# Altium PCB CATS-Vega.PcbDoc (part 1 of 2) (continued)
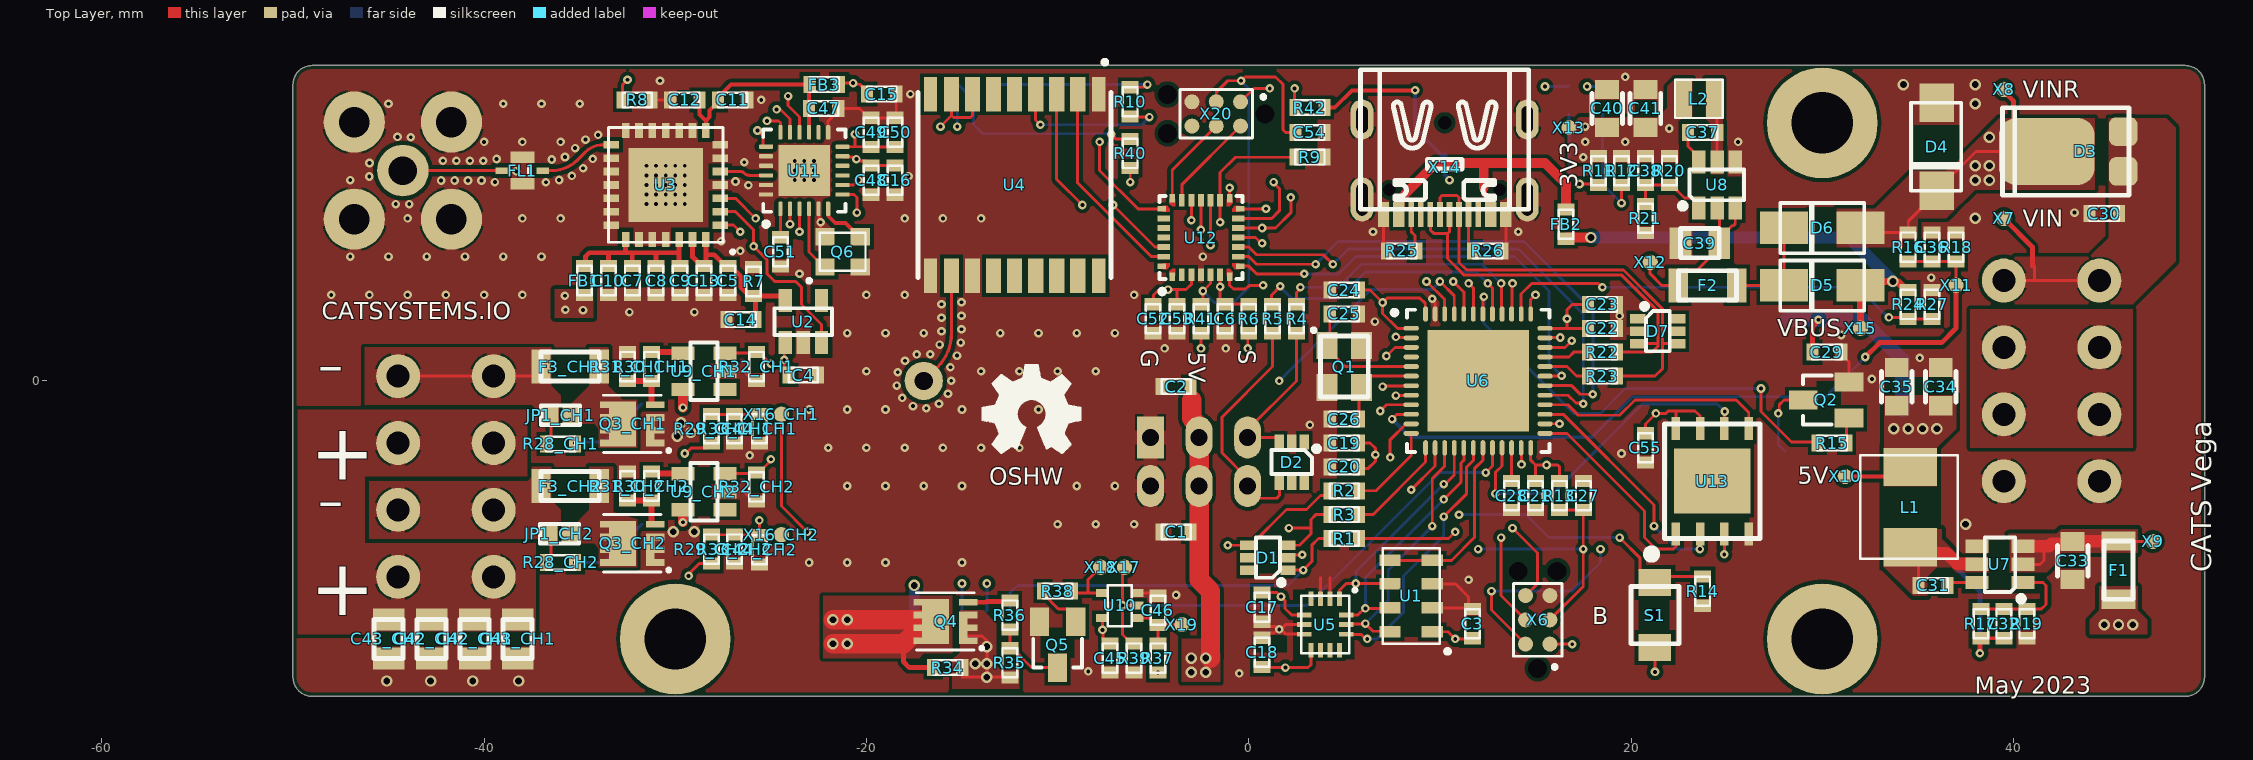
[diagram p0: Top Layer view]
## Components (designator, comment, footprint, x,y, rotation, side; value= is the part's Value field where it differs from the comment) (continued)
R1 "47" "SMD Widerstand 0603" 5,-8.25 r180 top
R2 "47" "SMD Widerstand 0603" 5,-5.75 r180 top
R3 "47" "SMD Widerstand 0603" 5,-7 r180 top
R4 "270" "SMD Widerstand 0603" 2.5,3.25 r270 top
R5 "270" "SMD Widerstand 0603" 1.25,3.25 r270 top
R6 "10k" "SMD Widerstand 0603" 0,3.25 r270 top
R7 "10k" "SMD Widerstand 0603" -25.9,5.2 r270 top
R8 "10k" "SMD NTC 0603" -32,14.7 r0 top
R9 "10k" "SMD Widerstand 0603" 3.2,11.7 r180 top
R10 "1.0k" "SMD Widerstand 0603" -6.2,14.6 r270 top
R11 "1.0k" "SMD Widerstand 0603" 18.3,11 r90 top
R12 "1.0k" "SMD Widerstand 0603" 19.5,11 r90 top
R13 "10k" "SMD Widerstand 0603" 16.25,-6 r90 top
R14 "10k" "SMD Widerstand 0603" 23.75,-11 r90 top
R15 "1.0k" "SMD Widerstand 0603" 30.512,-3.25 r180 top
R16 "75k" "SMD Widerstand 0603" 34.5,7 r90 top
R17 "43k" "SMD Widerstand 0603" 38.3,-12.7 r270 top
R18 "8.2k" "SMD Widerstand 0603" 37,7 r270 top
R19 "8.2k" "SMD Widerstand 0603" 40.7,-12.7 r90 top
R20 "75k" "SMD Widerstand 0603" 22,11 r90 top
R21 "24k" "SMD Widerstand 0603" 20.75,8.5 r90 top
R22 "47" "SMD Widerstand 0603" 18.5,1.5 r180 top
R23 "47" "SMD Widerstand 0603" 18.5,0.25 r180 top
R24 "5.1k" "SMD Widerstand 0603" 34.5,4 r270 top
R25 "5.1k" "SMD Widerstand 0603" 8,6.8 r0 top
R26 "5.1k" "SMD Widerstand 0603" 12.5,6.8 r180 top
R27 "10k" "SMD Widerstand 0603" 35.75,4 r90 top
R28_CH1 "43k" "SMD Widerstand 0603" -36,-3.3 r180 top (schematic designator R28)
R28_CH2 "43k" "SMD Widerstand 0603" -36,-9.5 r180 top (schematic designator R28)
R29_CH1 "75k" "SMD Widerstand 0603" -28.1,-2.5 r270 top (schematic designator R29)
R29_CH2 "75k" "SMD Widerstand 0603" -28.1,-8.8 r270 top (schematic designator R29)
R30_CH1 "270" "SMD Widerstand 0603" -31.25,0.75 r90 top (schematic designator R30)
R30_CH2 "270" "SMD Widerstand 0603" -31.25,-5.5 r90 top (schematic designator R30)
R31_CH1 "10k" "SMD Widerstand 0603" -32.5,0.75 r270 top (schematic designator R31)
R31_CH2 "10k" "SMD Widerstand 0603" -32.5,-5.5 r270 top (schematic designator R31)
R32_CH1 "10k" "SMD Widerstand 0603" -25.75,0.75 r90 top (schematic designator R32)
R32_CH2 "10k" "SMD Widerstand 0603" -25.75,-5.55 r90 top (schematic designator R32)
R33_CH1 "8.2k" "SMD Widerstand 0603" -26.9,-2.5 r90 top (schematic designator R33)
R33_CH2 "8.2k" "SMD Widerstand 0603" -26.9,-8.8 r90 top (schematic designator R33)
R34 "10k" "SMD Widerstand 0603" -15.75,-15 r0 top
R35 "10k" "SMD Widerstand 0603" -12.5,-14.75 r270 top
R36 "1.0k" "SMD Widerstand 0603" -12.5,-12.25 r90 top
R37 "10k" "SMD Widerstand 0603" -4.75,-14.5 r270 top
R38 "1.0k" "SMD Widerstand 0603" -10,-11 r0 top
R39 "1.0k" "SMD Widerstand 0603" -6,-14.5 r90 top
R40 "1.0k" "SMD Widerstand 0603" -6.2,11.9 r270 top
R41 "10k" "SMD Widerstand 0603" -2.5,3.25 r270 top
R42 "10k" "SMD Widerstand 0603" 3.2,14.3 r180 top
S1 "SMD-Button" "SMD BUTTON 2.5X3X1.2" 21.25,-12.25 r0 top
S2 "SMD-Button" "SMD Button 2.5x3x1.2" 10.25,13.5 r180 bottom
U1 "MS5607-02BA03" "SMD IC BARO MS5607" 8.5,-11.25 r180 top
U2 "VRH2851NTX" "SMD IC SOT-23-5" -23.3,3.1 r270 top
U3 "SKY65383-11" "SMD IC 28-MCM" -30.5,10.25 r180 top
U4 "MAX-M10S-00B" "SMD MAX-8" -12.25,10.25 r180 top
U5 "LSM6DSO32" "SMD IC LGA-14" 4,-12.75 r270 top
U6 "STM32F411CEU6" "SMD IC QFN-48" 12,0 r270 top
U7 "AP63300" "SMD IC TSOT-23-6" 39.3,-9.6 r90 top
U8 "AP63300" "SMD IC TSOT-23-6" 24.5,10.25 r0 top
U9_CH1 "TF0216-USQ" "SMD IC SOT-23-5" -28.5,0.5 r0 top (schematic designator U9)
U9_CH2 "TF0216-USQ" "SMD IC SOT-23-5" -28.5,-5.8 r0 top (schematic designator U9)
U10 "TC7S08FU,LF" "SMD IC SSOP5-P-0.65A (SOT353-1)" -6.75,-11.75 r0 top
U11 "SX1280IMLTRT" "SMD IC QFN-24" -23.25,11 r90 top
U12 "STM32G071GBU6" "SMD IC QFN-28 4X4 0.5 PITCH" -2.5,7.5 r0 top
U13 "W25Q128JVPIM" "SMD IC WSON-8 (6X5)" 24.25,-5.25 r90 top
X1 "WAGO 2601-1104" "THT PCB TERMINAL WAGO 2601-1104" 42,0 r90 bottom
X2 "WAGO 2601-1104" "THT PCB TERMINAL WAGO 2601-1104" -42,-5 r270 bottom locked
X3 "JST GH 5-Pin" "SMD Connector JST GH-5" -15,-13.5 r180 bottom
X4 "Servo Connector" "THT Stiftleiste 6-Pol (2x3) 90°" -2.6,-4.23 r0 bottom
X5 "SMA" "THT Buchse SMA Female" -44.25,11 r270 bottom locked
X6 "TC2030-CTX-NL" "SMD CONNECTOR TC2030" 15.115,-15.04 r90 top
X7 "-" "SMD TEST POINT 0.8MM" 39.5,8.5 r0 top
X8 "-" "SMD TEST POINT 0.8MM" 39.5,15.25 r0 top
X9 "-" "SMD TEST POINT 0.8MM" 47.3,-8.4 r0 top
X10 "-" "SMD TEST POINT 0.8MM" 31.2,-5 r90 top
X11 "-" "SMD TEST POINT 0.8MM" 37,5 r90 top
X12 "-" "SMD TEST POINT 0.8MM" 21,6.2 r90 top
X13 "-" "SMD TEST POINT 0.8MM" 16.75,13.25 r90 top
X14 "USB 2.0 Typ-C" "THT USB-C SOCKET (A40-00119)" 10.25,11.25 r0 top
X15 "-" "SMD TEST POINT 0.8MM" 32,2.75 r90 top
X16_CH1 "-" "SMD TEST POINT 0.8MM" -24.45,-1.75 r90 top (schematic designator X16)
X16_CH2 "-" "SMD TEST POINT 0.8MM" -24.45,-8.05 r90 top (schematic designator X16)
X17 "-" "SMD TEST POINT 0.8MM" -6.5,-9.75 r90 top
X18 "-" "SMD TEST POINT 0.8MM" -7.75,-9.75 r90 top
X19 "-" "SMD TEST POINT 0.8MM" -3.5,-12.75 r90 top
X20 "TC2030-CTX-NL" "SMD CONNECTOR TC2030" 0.84,13.965 r180 top

## Footprints (in the part's own frame and the unit in brackets; to place one, negate y for a bottom-side part, rotate by r counter-clockwise, add the part's x,y. Pads: shape width x height; smd on the part's side, far side on the other; paste and mask are expansions set on the pad)
"SMD BUTTON 2.5X3X1.2" [mm] "SMD_LED_RED"
  rect 1.7x1.4 smd: 1(0,-1.7) 2(0,1.7)
  round 0 hole 0.7: 6(0,0)
  silkscreen extent -1.25,-1.5 1.25,1.5, body extent -1.25,-2 1.25,2, height 1.6
"SMD Button 2.5x3x1.2" [mm] "SMD_LED_RED"
  rect 1.7x1.4 smd: 1(0,-1.7) 2(0,1.7)
  round 0 hole 0.7: 6(0,0)
  silkscreen extent -1.25,-1.5 1.25,1.5, body extent -1.25,-2 1.25,2, height 1.6
"SMD BUZZER CMT-8504" [mm]
  rect 2.5x2.5 smd: 1(-3.45,3.4) 2(-3.45,-3.4) NC(3.45,-3.4) NC(3.45,3.4)
  silkscreen extent -4.55,-4.2 4.25,6.2, body extent -4.3,-4.28 4.23,4.25, height 4
"SMD Connector JST GH-5" [mm]
  rect 0.6x1.25 smd: 1(-2.5,1.45) 2(-1.25,1.45) 3(0,1.45) 4(1.25,1.45) 5(2.5,1.45)
  rect 1x2.7 smd: NC(-4.35,-1.45) NC(4.35,-1.45)
  silkscreen extent -4.8,-2.9 4.8,1.6, body extent -4.75,-2.85 4.75,2, height 4.35
"SMD CONNECTOR TC2030" [mm]
  round 0.787 smd paste-1: 1(1.27,-0.635) 2(1.27,0.635) 3(2.54,-0.635) 4(2.54,0.635) 5(3.81,-0.635) 6(3.81,0.635)
  round 0.1 hole 0.991: NC(0,0) NC(5.08,-1.016) NC(5.08,1.016)
  silkscreen extent 0,-1.27 4.44,1.27
"SMD Crystal 3.2X2.5X0.8" [mm] "SMD_LED_RED"
  rect 1.4x1.1 smd: 1(-1.1,-0.9) 2(1.1,0.9) 3(-1.1,0.9) 3(1.1,-0.9)
  silkscreen extent -2,-1.7 1.6,1.25, body extent -1.65,-1.3 1.65,1.3, height 0.8
"SMD Crystal 2520" [mm]
  rect 1x0.9 smd: 1(-0.925,-0.787) 2(0.925,0.788) 3(-0.925,0.788) 3(0.925,-0.787)
  silkscreen extent -1.85,-1.61 1.2,1, body extent -1.25,-1 1.25,1, height 0.7
"SMD Diode DO-214-AC (SMA)" [mm] "SM LED; 2 Flat Leads"
  rect 2x1.8 smd: A(-2.3,0) K(2.3,0)
  silkscreen extent -2.3,-1.36 2.3,1.27, body extent -2.8,-1.48 2.8,1.47, height 2.7
"SMD DIODE SMAF" [mm]
  rect 2.5x1.7 smd: A(2,0) K(-2,0)
  silkscreen extent -2.2,-1.33 2.2,1.3, body extent -2.65,-1.27 2.65,1.27, height 1
"SMD DIODE TO-277" [mm]
  rrect50% 1.5x1.5 smd: A(3,-1.04) A(3,1.04)
  rrect50% 5x3.5 smd: K(-1,0)
  silkscreen extent -3.31,-2.29 3.29,2.29, body extent -3.32,-2.38 3.33,2.37, height 1.2
"SMD Ferrite Bead 0603" [mil]
  rect 25x35 smd: 1(-30,0) 2(30,0)
  silkscreen extent -30,-15 30,15, body extent -31,-16 31,16, height 33
"SMD FILTER DEA202450BT" [mm]
  rect 0.65x0.35 smd: 1(-1.075,0) 3(1.075,0)
  rect 1.25x0.6 smd: 2(0,0.7) 4(0,-0.7)
  silkscreen extent -0.5,-0.2 -0.25,0.2, body extent -1,-0.63 1,0.63, height 0.9
"SMD IC 28-MCM" [mm]
  rect 3.875x3.875 smd: 0(0,0)
  rect 0.8x0.4 smd: 1(-2.85,2.1) 2(-2.85,1.4) 3(-2.85,0.7) 4(-2.85,0) 5(-2.85,-0.7) 6(-2.85,-1.4) 7(-2.85,-2.1) 15(2.85,-2.1) 16(2.85,-1.4) 17(2.85,-0.7) 18(2.85,0) 19(2.85,0.7) 20(2.85,1.4) 21(2.85,2.1)
  rect 0.4x0.8 smd: 8(-2.1,-2.85) 9(-1.4,-2.85) 10(-0.7,-2.85) 11(0,-2.85) 12(0.7,-2.85) 13(1.4,-2.85) 14(2.1,-2.85) 22(2.1,2.85) 23(1.4,2.85) 24(0.7,2.85) 25(0,2.85) 26(-0.7,2.85) 27(-1.4,2.85) 28(-2.1,2.85)
  silkscreen extent -3.58,-3 3,3.58, body extent -3,-3 3,3, height 0.85
"SMD IC BARO MS5607" [mm]
  rect 1.1x0.6 smd: 1(-1.1,1.875) 2(-1.1,0.625) 3(-1.1,-0.625) 4(-1.1,-1.875) 5(1.1,-1.875) 6(1.1,-0.625) 7(1.1,0.625) 8(1.1,1.875)
  silkscreen extent -2,-2.5 1.5,3, body extent -1.5,-2.5 1.5,2.5, height 0.95
"SMD IC LGA-14" [mm]
  rect 0.75x0.25 smd: 1(-1.35,0.75) 2(-1.35,0.25) 3(-1.35,-0.25) 4(-1.35,-0.75) 8(1.35,-0.75) 9(1.35,-0.25) 10(1.35,0.25) 11(1.35,0.75)
  rect 0.25x0.75 smd: 5(-0.5,-1.1) 6(0,-1.1) 7(0.5,-1.1) 12(0.5,1.1) 13(0,1.1) 14(-0.5,1.1)
  silkscreen extent -1.86,-1.25 1.5,1.61, body extent -1.5,-1.25 1.5,1.25, height 0.84
"SMD IC QFN-24" [mm] "QFN, 24-Leads, Body 4x4mm, Pitch 0.5mm, Thermal Pad 2.68x2.68mm, IPC Medium Density"
  rect 2.68x2.68 smd: 0(0,0)
  rrect50% 0.75x0.22 smd: 1(-2,1.25) 2(-2,0.75) 3(-2,0.25) 4(-2,-0.25) 5(-2,-0.75) 6(-2,-1.25) 13(2,-1.25) 14(2,-0.75) 15(2,-0.25) 16(2,0.25) 17(2,0.75) 18(2,1.25)
  rrect50% 0.22x0.75 smd: 7(-1.25,-2) 8(-0.75,-2) 9(-0.25,-2) 10(0.25,-2) 11(0.75,-2) 12(1.25,-2) 19(1.25,2) 20(0.75,2) 21(0.25,2) 22(-0.25,2) 23(-0.75,2) 24(-1.25,2)
  silkscreen extent -2.92,-2.15 2.15,2.15, body extent -2,-2 2,2, height 0.9
"SMD IC QFN-28 4X4 0.5 PITCH" [mm] "QFN, 28-Leads"
  rect 0.3x0.45 smd: 1(-1.5,-2.05) 7(1.5,-2.05) 15(1.5,2.05) 21(-1.5,2.05)
  rect 0.3x0.65 smd: 2(-1,-1.95) 3(-0.5,-1.95) 4(0,-1.95) 5(0.5,-1.95) 6(1,-1.95) 16(1,1.95) 17(0.5,1.95) 18(0,1.95) 19(-0.5,1.95) 20(-1,1.95)
  rect 0.45x0.3 smd: 8(2.05,-1.5) 14(2.05,1.5) 22(-2.05,1.5) 28(-2.05,-1.5)
  rect 0.65x0.3 smd: 9(1.95,-1) 10(1.95,-0.5) 11(1.95,0) 12(1.95,0.5) 13(1.95,1) 23(-1.95,1) 24(-1.95,0.5) 25(-1.95,0) 26(-1.95,-0.5) 27(-1.95,-1)
  Top Layer region: 1.35,2 1.35,1.625 1.5,1.625 1.65,1.775 1.65,2
  Top Layer region: 2,1.35 1.625,1.35 1.625,1.5 1.775,1.65 2,1.65
  Top Layer region: -1.35,2 -1.35,1.625 -1.5,1.625 -1.65,1.775 -1.65,2
  Top Layer region: -2,1.35 -1.625,1.35 -1.625,1.5 -1.775,1.65 -2,1.65
  Top Layer region: -1.35,-2 -1.35,-1.625 -1.5,-1.625 -1.65,-1.775 -1.65,-2
  Top Layer region: -2,-1.35 -1.625,-1.35 -1.625,-1.5 -1.775,-1.65 -2,-1.65
  Top Layer region: 2,-1.35 1.625,-1.35 1.625,-1.5 1.775,-1.65 2,-1.65
  Top Layer region: 1.35,-2 1.35,-1.625 1.5,-1.625 1.65,-1.775 1.65,-2
  silkscreen extent -2.17,-2.95 2.17,2.17, body extent -2,-2 2,2, height 0.8
"SMD IC QFN-48" [mm] "QFN, 48-Leads, Body 7x7mm, Pitch 0.5mm, IPC Medium Density"
  oval 0.25x0.8 smd: 1(-2.75,-3.5) 2(-2.25,-3.5) 3(-1.75,-3.5) 4(-1.25,-3.5) 5(-0.75,-3.5) 6(-0.25,-3.5) 7(0.25,-3.5) 8(0.75,-3.5) 9(1.25,-3.5) 10(1.75,-3.5) 11(2.25,-3.5) 12(2.75,-3.5) 25(2.75,3.5) 26(2.25,3.5) 27(1.75,3.5) 28(1.25,3.5) 29(0.75,3.5) 30(0.25,3.5) 31(-0.25,3.5) 32(-0.75,3.5) 33(-1.25,3.5) 34(-1.75,3.5) 35(-2.25,3.5) 36(-2.75,3.5)
  oval 0.8x0.25 smd: 13(3.5,-2.75) 14(3.5,-2.25) 15(3.5,-1.75) 16(3.5,-1.25) 17(3.5,-0.75) 18(3.5,-0.25) 19(3.5,0.25) 20(3.5,0.75) 21(3.5,1.25) 22(3.5,1.75) 23(3.5,2.25) 24(3.5,2.75) 37(-3.5,2.75) 38(-3.5,2.25) 39(-3.5,1.75) 40(-3.5,1.25) 41(-3.5,0.75) 42(-3.5,0.25) 43(-3.5,-0.25) 44(-3.5,-0.75) 45(-3.5,-1.25) 46(-3.5,-1.75) 47(-3.5,-2.25) 48(-3.5,-2.75)
  rect 5.3x5.3 smd: PAD(0,0)
  silkscreen extent -3.72,-4.5 3.72,3.72, body extent -3.51,-3.51 3.51,3.51, height 0.78
"SMD IC SOT-23-5" [mm]
  rect 1.2x0.7 smd: 1(1.1,-0.95) 2(1.1,0) 3(1.1,0.95) 4(-1.1,0.95) 5(-1.1,-0.95)
  silkscreen extent -0.7,-1.5 0.7,1.5, body extent -1.3,-1.5 1.2,1.5, height 1.1
"SMD IC SOT-363 (SC-70-6)" [mm]
  rect 0.8x0.5 smd: 1(1.05,-0.65) 2(1.05,0) 3(1.05,0.65) 4(-1.05,0.65) 5(-1.05,0) 6(-1.05,-0.65)
  silkscreen extent -0.63,-1.4 0.8,1.05, body extent -1.05,-1 1.05,1, height 0.92
"SMD IC SSOP5-P-0.65A (SOT353-1)" [mm]
  rect 0.6x0.42 smd: 1(0.95,-0.65) 2(0.95,0) 3(0.95,0.65) 4(-0.95,0.65) 5(-0.95,-0.65)
  silkscreen extent -0.64,-1.09 0.64,1.07, body extent -1.05,-1.08 1.05,1.07, height 0.93
"SMD IC TSOT-23-6" [mm] "SOT-223/SC-73; 4 Leads; Body 6.7 x 7.3 mm, inc. leads (LxW max)"
  rect 0.7x1.2 smd: 1(-0.95,-1.2) 2(0,-1.2) 3(0.95,-1.2) 4(0.95,1.2) 5(0,1.2) 6(-0.95,1.2)
  silkscreen extent -1.9,-1.2 1.4,0.8, body extent -1.5,-1.4 1.5,1.4, height 0.86
"SMD IC WSON-8 (6X5)" [mm]
  rect 1.2x0.45 smd: 1(-2.75,1.905) 2(-2.75,0.635) 3(-2.75,-0.635) 4(-2.75,-1.905) 5(2.75,-1.905) 6(2.75,-0.635) 7(2.75,0.635) 8(2.75,1.905)
  rect 3.4x4 smd: PAD(0,0)
  silkscreen extent -4.01,-2.5 3,3.37, body extent -3,-2.5 3,2.5, height 0.75
"SMD Inductor 2x2.5x1.2" [mm]
  rect 0.85x2 smd: 1(-0.8,0) 2(0.8,0)
  silkscreen extent -1.25,-1 1.25,1, body extent -1.25,-1 1.25,1, height 1.2
"SMD Inductor 5.5x5.2x3" [mm]
  rect 2x2.79 smd: 1(-2.1,0) 2(2.1,0)
  silkscreen extent -2.7,-2.5 2.7,2.6, body extent -2.73,-2.55 2.73,2.6, height 2.89
"SMD Keramikkondensator 0603" [mil]
  rect 25x35 smd: 1(-30,0) 2(30,0)
  silkscreen extent -30,-15 30,15, body extent -31,-16 32,16, height 32
"SMD Keramikkondensator 0805"#1 [mm]
  rect 1x1.25 smd: 1(-1,0) 2(1,0)
  silkscreen extent -0.8,-0.8 0.8,0.8, body extent -1,-0.62 1,0.63, height 0.78
"SMD Keramikkondensator 0805"#2 [mm]
  rect 1.143x1.651 smd: 1(-1.016,0) 2(1.016,0)
  silkscreen extent -1.02,-0.76 1.02,0.76, body extent -1,-0.62 1,0.63, height 0.78
"SMD LED 0603" [mm] "SMD_LED_RED"
  rect 0.8x0.8 smd: A(0.8,0) K(-0.7,0)
  silkscreen extent -0.75,-0.4 0.85,0.4, body extent -0.79,-0.36 0.86,0.37, height 0.68
"SMD MAX-8" [mm]
  rect 0.7x1.8 smd: 1(-4.4,-4.75) 9(4.4,-4.75) 10(4.4,4.75) 18(-4.4,4.75)
  rect 0.8x1.8 smd: 2(-3.3,-4.75) 3(-2.2,-4.75) 4(-1.1,-4.75) 5(0,-4.75) 6(1.1,-4.75) 7(2.2,-4.75) 8(3.3,-4.75) 11(3.3,4.75) 12(2.2,4.75) 13(1.1,4.75) 14(0,4.75) 15(-1.1,4.75) 16(-2.2,4.75) 17(-3.3,4.75)
  silkscreen extent -5.05,-6.52 5.05,4.85, body extent -5.05,-4.85 5.05,4.85, height 2.5
"SMD MOSFET DFN 3X3 EP" [mm]
  rect 0.35x1.1 smd: D(-1.005,1.125) D(-0.335,1.125) D(0.335,1.125) D(1.005,1.125)
  rect 2.36x1.4 smd: D(0,0.508)
  rect 0.35x0.95 smd: G(1.005,-1.2) S(-1.005,-1.2) S(-0.335,-1.2) S(0.335,-1.2)
  rect 1.68x0.45 smd: S(-0.341,-0.947)
  silkscreen extent -1.5,-1.96 1.5,1.5, body extent -1.5,-1.5 1.5,1.5, height 0.5
"SMD NTC 0603" [mil]
  rect 25x35 smd: 1(-30,0) 2(30,0)
  silkscreen extent -30,-15 30,15, body extent -31,-16 31,16, height 33
"SMD PPTC-Fuse 1206" [mil]
  rect 40x70 smd: 1(-60,0) 2(60,0)
  silkscreen extent -60,-30 60,30, body extent -63,-33 63,33, height 22
"SMD SOLDER JUMPER 1X2MM" [mm] "SOT-223/SC-73; 4 Leads; Body 6.7 x 7.3 mm, inc. leads (LxW max)"
  rect 0.9x0.9 smd paste-2539.97: 1(-0.559,0) 2(0.559,0)
  silkscreen extent -1.02,-0.51 1.02,0.51
"SMD TEST POINT 0.8MM" [mm]
  round 0.8 smd paste-10: 1(0,0)
"SMD Transistor SOT-23" [mm]
  rect 1.5x1 smd: B(1.149,-0.95) C(-1.251,0) E(1.149,0.95)
  silkscreen extent -1.25,-1.28 0.25,1.27, body extent -1.25,-1.5 1.25,1.5, height 1.1
"SMD TRANSISTOR SOT-23" [mm]
  rect 1.5x1 smd: B(1.149,-0.95) C(-1.251,0) E(1.149,0.95)
  silkscreen extent -1.25,-1.28 0.25,1.27, body extent -1.25,-1.5 1.25,1.5, height 1.1
"SMD Widerstand 0603" [mil]
  rect 25x35 smd: 1(-30,0) 2(30,0)
  silkscreen extent -30,-15 30,15, body extent -31,-16 31,16, height 18
"THT ANTENNA GNSS 18X18" [mm]
  round 2 hole 0.95: 1(0,1.1)
  silkscreen extent -9,-6.1 9,11.9, body extent -9,-8.2 9,11.8, height 2.6
"THT Buchse SMA Female" [mm]
  round 2.7 hole 1.5: 1(0,0)
  round 3.2 hole 1.6: 2(-2.54,-2.54) 2(-2.54,2.54) 2(2.54,-2.54) 2(2.54,2.54)
  silkscreen extent -5,-4 5,16.5, body extent -5.1,-4 5.1,16.5, height 11.5
"THT PCB TERMINAL WAGO 2601-1104" [mm]
  round 2.3 hole 1.2: 1(-5.25,-2.5) 1(-5.25,2.5) 2(-1.75,-2.5) 2(-1.75,2.5) 3(1.75,-2.5) 3(1.75,2.5) 4(5.25,-2.5) 4(5.25,2.5)
  silkscreen extent -7.72,-6.62 7.78,8, body extent -7.82,-6.62 7.68,9.96, height 12.75
"THT Stiftleiste 6-Pol (2x3) 90°" [mm]
  rect 1.4x2.2 hole 0.9: 1(-2.54,-1.27)
  oval 1.4x2.2 hole 0.9: 2(-2.54,1.27) 3(0,-1.27) 4(0,1.27) 5(2.54,-1.27) 6(2.54,1.27)
  silkscreen extent -3.81,-2.54 3.81,12.19, body extent -3.81,-1.58 3.81,12.15, height 5.63
"THT USB-C SOCKET (A40-00119)" [mm]
  rect 0.6x1.3 smd: A1B12(3.2,-2.55) A4B9(2.4,-2.55) B1A12(-3.2,-2.55) B4A9(-2.4,-2.55)
  rect 0.3x1.3 smd: A5(1.25,-2.55) A6(0.25,-2.55) A7(-0.25,-2.55) A8(-1.25,-2.55) B5(-1.75,-2.55) B6(-0.75,-2.55) B7(0.75,-2.55) B8(1.75,-2.55)
  oval 1.2x2.1 hole 0.6 slot 1.4 at 90 deg: G1(4.32,2.425) G3(-4.32,2.425)
  oval 1.2x2.3 hole 0.6 slot 1.7 at 90 deg: G2(4.32,-1.755) G4(-4.32,-1.755)
  round 0 hole 0.65 unplated: NC(-2.89,-1.255) NC(2.89,-1.255)
  silkscreen extent -4.4,-2.27 4.4,5.03, body extent -4.47,-2.79 4.48,4.96, height 3.26

## Part data
ANT1: "1.575GHz GPS Ceramic Patch RF Antenna 1.573GHz ~ 1.577GHz 3.3dBic Pin Adhesive", ComponentLink1Description=Datasheet, ComponentLink1URL=https://abracon.com/patchantenna/APAE1575R1820ABDC1-T.pdf, Digikey=535-11944-ND, Mouser=815-1575R1820ABDC1T, Unit Price=1.63
C1 C2 C30 C49 C51: library part "E6 - 10nF", "SMD Ceramic Capacitor E6", JLC=C1589, Unit Price=0.0015
C3 C4 C5 C6 C11 C13 C14 C16 C17 C18 C20 C22 C23 C24 C27 C31 C37 C45 C47 C48 C53 C54 C55: library part "E6 - 100nF", "SMD Ceramic Capacitor E6", JLC=C1591, Unit Price=0.0024
C7 C8 C15 C21 C28 C29 C46 C52: library part "E6 - 4.7uF", "SMD Ceramic Capacitor E6", JLC=C19666, Unit Price=0.0082
C9 C10 C12 C25 C26: library part "E6 - 10pF", "SMD Ceramic Capacitor E6", JLC=C1634, Unit Price=0.0055
C19 C36 C44_CH1 C44_CH2 C50: library part "E6 - 1uF", "SMD Ceramic Capacitor E6", JLC=C15849, Unit Price=0.0047
C32 C38: library part "E6 - 47pF", "SMD Ceramic Capacitor E6", JLC=C1671, Unit Price=0.0056
C33 C34 C35 C39 C40 C41 C42_CH1 C42_CH2 C43_CH1 C43_CH2: library part "E6 - 22uF", "SMD Ceramic Capacitor E6", JLC=C338080, Unit Price=0.3453
D1 D2 D7: library part PD4E1U06DCKR, "Unidirectional 3A (8/20us) 15V (Typ) 6.5V 5.5V (Max) SOT-363 ESD Protection Devices ROHS", JLC=C194628, ComponentLink1Description=Datasheet, ComponentLink1URL=https://datasheet.lcsc.com/lcsc/1810172210_Texas-Instruments-TPD4E1U06DCKR_C194628.pdf, Digikey=296-39347-1-ND, Farnell=3116516, Mouser=595-TPD4E1U06DCKR, Unit Price=0.0382
D3: "45V 470mV@10A 10A TO-277 Schottky Barrier Diodes", JLC=C113945, ComponentLink1Description=Datasheet, ComponentLink1URL=https://datasheet.lcsc.com/lcsc/1810252210_MDD-Microdiode-Electronics--SL1045_C65021.pdf, Unit Price=0.1199
D4: "TVS Diode, 31.10~34.40V Breakdown, 8.8A Pulse", JLC=C90508, ComponentLink1Description=Datasheet, ComponentLink1URL=https://datasheet.lcsc.com/lcsc/1809291411_Brightking-SMAJ28CA-TR13_C90508.pdf, Unit Price=0.0337
D5 D6: "3A SMAF Schottky Barrier Diode", JLC=C60396, ComponentLink1Description=Datasheet, ComponentLink1URL=https://datasheet.lcsc.com/lcsc/1809211527_MDD-Microdiode-Electronics--SL34F_C113938.pdf, Unit Price=0.0363
F1 F2 F3_CH1 F3_CH2: library part ASMD1206-075-30V, "Polymeric PTC Resettable Fuse 30V 0.75A Surface Mount 1206", JLC=C2982268, ComponentLink1Description=Datasheet, ComponentLink1URL=https://datasheet.lcsc.com/lcsc/2204011730_Shenzhen-JDT-Fuse-ASMD1206-075-30V_C2982268.pdf, Unit Price=0.0525
FB1 FB2 FB3: "1 kOhms @ 100MHz 1 Power Line Ferrite Bead 0603 (1608 Metric) 1A 200mOhm", JLC=C42102, ComponentLink1Description=Datasheet, ComponentLink1URL=https://www.murata.com/en-us/products/productdata/8796738650142/ENFA0003.pdf, Digikey=490-17349-1-ND, Unit Price=0.0058
FL1: "Multilayer Band Pass Filter 2400-2500MHz", JLC=C307898, ComponentLink1Description=Datasheet, ComponentLink1URL=https://datasheet.lcsc.com/lcsc/1811021613_TDK-DEA202450BT-1213C1_C307898.pdf, Digikey=445-3969-2-ND, Mouser=810-DEA22450BT1213C1, Unit Price=0.1188
JP1_CH1 JP1_CH2: library part Jumper-1, "Single Position Jumper"
L1: library part "Inductor 4.7µH / 4.5A", "4.7 µH Shielded Molded Inductor 4.5 A 60mOhm Max Nonstandard", JLC=C408410, ComponentLink1Description=Datasheet, ComponentLink1URL=https://www.vishay.com/docs/34260/ihlp2020cz11.pdf, Digikey=541-1238-2-ND, Unit Price=0.0978
L2: library part "Inductor 3.3µH / 1.15A", "1.15A 3.3uH ±20% 144mΩ SMD Power Inductors", JLC=C98379, ComponentLink1Description=Datasheet, ComponentLink1URL=https://datasheet.lcsc.com/lcsc/2110081330_Sunlord-SPH252012H3R3MT_C98379.pdf, Digikey=732-5680-2-ND, Unit Price=0.0513
LS1: "Buzzers Indicator, Internally Driven Piezo 12V 10mA 3kHz 100dB @ 12V, 10cm Through Hole PC Pins", JLC=C255315, ComponentLink1Description=Datasheet, ComponentLink1URL=https://datasheet.lcsc.com/lcsc/2001061407_INGHAi-GSC8530RA-16R2700_C255315.pdf, Digikey=2603-CT08E-06S300-2TR-ND, Unit Price=0.4057
P1 P2 P4_CH1 P4_CH2: "Color LED", JLC=C84263, Unit Price=0.01
P3 P5: "Color LED", JLC=C434421, Unit Price=0.01
Q1: library part Crystal, "SMD Crystal Resonators 8MHz ±10ppm SMD,3.2x2.5mm", JLC=C2682775, ComponentLink1Description=Datasheet, ComponentLink1URL=https://datasheet.lcsc.com/lcsc/2106070434_Yangxing-Tech-X32258MOB4SI_C2682775.pdf, Digikey=535-15255-1-ND, Mouser=815-M8AIG-8-1ZT, Unit Price=0.1431
Q2 Q5: "40 V, 200 mA NPN switching transisto", JLC=C8667, ComponentLink1Description=Datasheet, ComponentLink1URL=https://datasheet.lcsc.com/lcsc/2105201004_Nexperia-PMBT3904-215_C8667.pdf, Unit Price=0.019
Q3_CH1 Q3_CH2: "N-Channel 30V 30A Surface Mount 8-DFN (3x3)", JLC=C315567, ComponentLink1Description=Datasheet, ComponentLink1URL=https://datasheet.lcsc.com/lcsc/1912111437_Alpha---Omega-Semicon-AON7544_C315567.pdf, Digikey=785-1634-2-ND, Unit Price=0.1553
Q4: "30V 16A 35W", JLC=C471913, ComponentLink1Description=Datasheet, ComponentLink1URL=https://datasheet.lcsc.com/lcsc/1809251724_GOFORD-G16P03_C193982.pdf, Unit Price=0.1535
Q6: library part "Crystal 52MHz - 2520", "52Mhz Ceramic 2.5 x 2.0mm SMD 10pF 60Ω ±10ppm", JLC=C963550, ComponentLink1Description=Datasheet, ComponentLink1URL=https://datasheet.lcsc.com/lcsc/2012211835_WTL-WTL2M75523TW_C963550.pdf, Digikey=50-ECS-520-8-36B-CTN-TR-ND, Mouser=520-520-8-36B-CTN-TR, Unit Price=0.2466
R1 R2 R3 R22 R23: library part "E24 - 47", "SMD Chip Resistor E24", JLC=C1211, Unit Price=0.001
R4 R5 R30_CH1 R30_CH2: library part "E24 - 270", "SMD Chip Resistor E24", JLC=C22966, Unit Price=0.001
R6 R7 R9 R13 R14 R27 R31_CH1 R31_CH2 R32_CH1 R32_CH2 R34 R35 R37 R41 R42: library part "E24 - 10k", "SMD Chip Resistor E24", JLC=C99198, Unit Price=0.001
R8: library part SDNT1608X103F3450FTF, "NTC 10kΩ -55℃~+125℃ 0.31mA 100mW ±1% 3450K", JLC=C95953, ComponentLink1Description=Datasheet, ComponentLink1URL=https://datasheet.lcsc.com/lcsc/2110081230_Sunlord-SDNT1608X103F3450FTF_C95953.pdf, Unit Price=0.0192
R10 R11 R12 R15 R36 R38 R39 R40: library part "E24 - 1.0k", "SMD Chip Resistor E24", JLC=C2907113, Unit Price=0.001
R16 R20 R29_CH1 R29_CH2: library part "E24 - 75k", "SMD Chip Resistor E24", JLC=C23242, Unit Price=0.001
R17 R28_CH1 R28_CH2: library part "E24 - 43k", "SMD Chip Resistor E24", JLC=C23172, Unit Price=0.001
R18 R19 R33_CH1 R33_CH2: library part "E24 - 8.2k", "SMD Chip Resistor E24", JLC=C168409, Unit Price=0.001
R21: library part "E24 - 24k", "SMD Chip Resistor E24", JLC=C2907131, Unit Price=0.001
R24 R25 R26: library part "E24 - 5.1k", "SMD Chip Resistor E24", JLC=C2907114, Unit Price=0.001
S1 S2: library part "Button 3mmx2.5mm", "Button SPST", JLC=C128937, ComponentLink1Description=Datasheet, ComponentLink1URL=https://datasheet.lcsc.com/lcsc/2108131530_Korean-Hroparts-Elec-K2-1822SA-A3DW-06_C128937.pdf, Digikey=SW1020TR-ND, Mouser=653-B3U-1000P, Unit Price=0.1654
U1: "Barometric Pressure Sensor, with stainless / steel cap", ComponentLink1Description=Datasheet, ComponentLink1URL=https://www.te.com/commerce/DocumentDelivery/DDEController?Action=srchrtrv&DocNm=MS5607-02BA03&DocType=Data+Sheet&DocLang=English, Digikey=223-1198-1-ND, Mouser=824-MS560702BA03-50, Unit Price=3.47
U2: "Linear Voltage Regulator IC Positive Fixed 1 Output  250mA SOT-23-5 2.85V", JLC=C697994, ComponentLink1Description=Datasheet, ComponentLink1URL=https://datasheet.lcsc.com/lcsc/2007221906_AnaSem-VRH2851NTX_C697994.pdf, Unit Price=0.0585
U3: "2400 to 2483 MHz Transmit/Receive / Front-End Module +30dBm", ComponentLink1Description=Datasheet, ComponentLink1URL=https://www.skyworksinc.com/-/media/SkyWorks/Documents/Products/2901-3000/SKY65383-11_202668G.pdf, Digikey=863-1798-1-ND, Mouser=873-SKY65383-11, Unit Price=4.16720
U4: "u-blox 8 GNSS modules", ComponentLink1Description=Datasheet, ComponentLink1URL=https://content.u-blox.com/sites/default/files/MAX-M10S_DataSheet_UBX-20035208.pdf, Digikey=672-MAX-M10S-00BTR-ND, Mouser=377-MAX-M10S-00B, Unit Price=14.16
U5: "iNEMO inertial module / ±4/±8/±16/±32 g  / ±125/±250/±500/±1000/±2000 dps", JLC=C1864162, ComponentLink1Description=Datasheet, ComponentLink1URL=https://www.st.com/resource/en/datasheet/lsm6dso32.pdf, Digikey=497-LSM6DSO32CT-ND, Farnell=3527117, Mouser=511-LSM6DSO32TR, Unit Price=4.59
U6: "ARM® Cortex®-M4 series Microcontroller IC 32-Bit 100MHz 512KB (512K x 8) FLASH 48-UFQFPN (7x7)", JLC=C60420, ComponentLink1Description=Datasheet, ComponentLink1URL=https://datasheet.lcsc.com/lcsc/1809291612_STMicroelectronics-STM32F411CEU6_C60420.pdf, Digikey=497-14907-ND, Unit Price=5.0305
U7 U8: "3.8V TO 32V INPUT, 3A LOW IQ SYNCHRONOUS BUCK WITH ENHANCED EMI REDUCTION", JLC=C2158012, ComponentLink1Description=Datasheet, ComponentLink1URL=https://www.diodes.com/assets/Datasheets/AP63300-AP63301.pdf, Digikey=31-AP63300WU-7TR-ND, Mouser=621-AP63300WU-7, Unit Price=0.6396
U9_CH1 U9_CH2: "SOT-23-5L Gate Drive IC", JLC=C2683769, ComponentLink1Description=Datasheet, ComponentLink1URL=https://datasheet.lcsc.com/lcsc/2106070334_TFSS-TF0216-USQ_C2683769.pdf, Unit Price=0.3357
U10: "AND Gate SSOP5-P-0.65A", JLC=C146362, ComponentLink1Description=Datasheet, ComponentLink1URL=https://datasheet.lcsc.com/lcsc/1811082031_TOSHIBA-TC7S08FU-LF_C146362.pdf, Unit Price=0.1716
U11: "Long Range, Low Power, 2.4 GHz / Transceiver with Ranging Capability", JLC=C125969, ComponentLink1Description=Datasheet, ComponentLink1URL=https://media.digikey.com/pdf/Data%20Sheets/Semtech%20PDFs/SX1280-81_Rev3.2_Mar2020.pdf, Digikey=SX1280IMLTRTCT-ND, Unit Price=5.50000
U12: "ARM® Cortex®-M0+ series Microcontroller IC 32-Bit 64MHz 128KB (128K x 8) FLASH 28-UFQFPN (4x4)", JLC=C529347, ComponentLink1Description=Datasheet, ComponentLink1URL=https://media.digikey.com/pdf/Data%20Sheets/ST%20Microelectronics%20PDFS/STM32G071_Rev1_DS.pdf, Digikey=497-18343-ND, Unit Price=2.8446
U13: "3V 128M-BIT / SERIAL FLASH MEMORY WITH / DUAL/QUAD SPI & QPI & DTR", JLC=C190862, ComponentLink1Description=Datasheet, ComponentLink1URL=https://www.winbond.com/resource-files/w25q128jv_dtr%20revc%2003272018%20plus.pdf, Digikey=W25Q128JVPIM-ND, Unit Price=0.8798
X1 X2: "PCB terminal blocks with levers and Push-in CAGE CLAMP® connection", ComponentLink1Description=Datasheet, ComponentLink1URL=https://www.wago.com/us/pcb-interconnect/pcb-terminal-block/p/2604-1106
X3: "Connector Header Surface Mount, Right Angle 4 position 0.049\" (1.25mm)", JLC=C189896, ComponentLink1Description=Datasheet, ComponentLink1URL=https://www.jst-mfg.com/product/pdf/eng/eGH.pdf, Unit Price=0.1871
X4: library part "Servo Connector Dual", "6 Pin header for PWM servos", JLC=C239334, Unit Price=0.0962
X5: library part "SMA Connector", "Female SMA Connector THT", JLC=C1509230, Digikey=931-1361-ND, Unit Price=0.4926
X6 X20: "Tag-Connect for ARM-Cortex (6-Pin)"
X7 X8 X9 X10 X11 X12 X13 X15 X16_CH1 X16_CH2 X17 X18 X19: library part "SMD Test point", "Test Point SMD"
X14: library part "USB Type-C USB 2.0", "Typ-C", JLC=C167321, Digikey=2073-USB4105-GF-ACT-ND, Farnell=3583366, Unit Price=0.2741

## Free pads (board coordinates)
  round 5.8 hole 3.2: NC(-30,-13.5) NC(30,-13.5) NC(30,13.5)

## Via types
v1: diameter 0.45, hole 0.2, Top Layer to Bottom Layer, tented both sides, 333 vias
v2: diameter 0.6, hole 0.35, Top Layer to Bottom Layer, tented both sides, 41 vias

## Nets (pads, with @x,y where several pads share a name; then routed paths per layer and width w, separated by ;. In a path a pad name is that pad's centre, name@x,y a point inside that pad or via, vN(x,y) a via of type N, cw(c..) or ccw(c..) an arc to the next point about the centre after c; other vN are vias at no path point)
2V85: C5.2 C13.2 C14.2 R7.2 U2.5 U3.27 U3.28 | length 10
  Top Layer w0.254: U3.27@-29.1,7.45 -29.1,6.485 -28.627,6.012 C13.2@-28.5,6.012 -28.4,6.112 -28.4,6.6 ; U3.28@-28.4,7.45 -28.4,6.6 ; C14.2@-25.8,3.2 -25.8,4.338 R7.2@-25.9,4.438 ; U2.5@-24.25,4.2 -24.25,4.215 -24.473,4.438 R7.2@-25.9,4.438 ; -28.4,6.6 -27.965,6.6 -27.377,6.012 C5.2@-27.25,6.012 -27.123,6.012 -26.577,5.466 -26.577,4.911 -26.104,4.438 R7.2@-25.9,4.438
3V3: C3.2 C4.2 C15.2 C16.2 C17.2 C18.2 C19.2 C20.2 C21.2 C22.2 C23.2 C24.2 C38.2 C40.2 C41.2 C45.2 C48.2 C52.2 C53.2 C55.2 FB1.2 FB3.2 L2.2 R6.2 R11.2 R12.2 R13.2 R20.2 R37.2 R40.2 R41.2 R42.2 S1.1 U1.1 U2.1 U4.7 U4.8 U5.5 U5.8 U6.1 U6.9 U6.24 U6.36 U6.48 U10.5 U11.11 U12.3 U13.3 U13.7 U13.8 X6.1 X13.1 X20.1 | length 58.5
  Top Layer w0.152: U2.1@-24.25,2 -24.3,1.95 -24.3,0.668 -24.132,0.5 C4.2@-24.062,0.5 ; FB3.2@-21.438,15.5 -21.363,15.575 v1(-20.7,15.575) -20.643,15.518 -20.353,15.518 -19.962,15.127 C15.2@-19.962,15 ; U11.11@-21.25,11.75 -21.216,11.716 -20.722,11.716 -20.606,11.6 v1(-20.525,11.6) -20.444,11.6 -20.348,11.503 -19.991,11.503 C48.2@-19.75,11.262 C16.2@-18.5,11.262 ; v1(-16.125,13.3) -15.55,13.875 ; U4.8@-15.55,15 -15.55,13.875 ; U4.7@-14.45,15 -14.45,13.875 -14.55,13.775 -15.45,13.775 -15.55,13.875 ; U10.5@-7.7,-12.4 -7.65,-12.45 v1(-7.65,-13.025) -7.618,-13.057 -7.618,-13.497 -7.377,-13.738 C45.2@-7.25,-13.738 ; v1(-6.2,10.4) R40.2@-6.2,11.138 ; C52.2@-5,4.012 -4.975,4.037 -4.975,4.5 -4.7,4.775 -3.75,4.775 ; C53.2@-3.75,4.012 -3.75,4.775 ; U12.3@-3,5.55 -3,5.05 -3.275,4.775 -3.75,4.775 ; v1(-2.5,1.7) R41.2@-2.5,2.488 ; X20.1@-0.43,14.6 0.27,15.3 v1(1.1,15.3) ; v1(-0.05,1.7) -0.05,2.438 R6.2@0,2.488 ; C18.2@0.7,-14.962 0.738,-15 3.1,-15 3.25,-14.85 U5.8@3.25,-14.1 ; C17.2@0.7,-11.076 1.476,-11.076 1.9,-11.5 1.9,-11.9 2.25,-12.25 U5.5@2.9,-12.25 ; v1(2.4,15.3) 2.4,14.338 R42.2@2.438,14.3 ; C20.2@5.762,-4.5 5.837,-4.575 6.25,-4.575 6.625,-4.2 6.625,-3.525 6.35,-3.25 C19.2@5.762,-3.25 ; C24.2@5.762,4.75 6.35,4.75 v1(7,4.1) ; v1(6.875,-1.575) 7.2,-1.25 U6.9@8.5,-1.25 ; U6.1@8.5,2.75 7.775,2.75 7,3.525 v1(7,4.1) ; U6.48@9.25,3.5 9.231,3.519 9.231,4.058 8.964,4.325 7.225,4.325 v1(7,4.1) ; U1.1@9.6,-13.125 10.425,-13.125 v1(10.8,-13.5) 11.662,-13.5 C3.2@11.7,-13.462 ; U6.24@14.75,-3.5 14.75,-4.15 15,-4.4 ; C21.2@15,-5.238 15,-4.4 ; U6.36@15.5,2.75 16.619,2.75 ; X6.1@15.75,-13.77 16.92,-13.77 v1(16.925,-13.775) ; R13.2@16.25,-5.238 16.25,-4.489 16.161,-4.4 15,-4.4 ; C22.2@17.738,2.75 16.619,2.75 ; C23.2@17.738,4 16.925,4 16.65,3.725 16.65,2.781 16.619,2.75 ; C55.2@20.75,-2.738 20.75,-2.25 v1(21.3,-1.7) 21.815,-1.7 21.94,-1.575 22.375,-1.575 ; v1(21.25,-15.225) S1.1@21.25,-13.95 ; U13.8@22.345,-2.5 22.345,-1.605 22.375,-1.575 ; U13.7@23.615,-2.5 23.6,-2.485 23.6,-1.825 23.35,-1.575 22.375,-1.575 ; v1(24.875,-9.075) 24.885,-9.065 U13.3@24.885,-8
  other v1: -4.75,-15.262 1.919,-15 1.688,-11.288 15.58,-4.4 6.625,-3.862 -24.3,1.1 16.65,3.253 -34.825,3.7 -35.75,3.725 -35.775,4.45 -4.225,4.775 17.5,11.7 17.6,12.5 19.7,12.5 22,13.2 17.6,13.3
3V3A: C11.2 C12.2 C47.2 FB3.1 U3.8 U11.15 | length 11.3
  Top Layer w0.203: C12.2@-28.738,14.7 -28.738,13.938 -28.4,13.6 ; U11.15@-23,13 C47.2@-23,14.25 -23,15.462 -23.038,15.5 -27.089,15.5 -27.762,14.827 C11.2@-27.762,14.7 -27.762,14.573 -28.2,14.135 -28.2,13.8 -28.4,13.6 ; -28.4,13.6 -28.4,13.05 -28.4,13.6
5V: C1.2 C2.2 C29.2 C32.2 C34.2 C35.2 L1.2 LS1.1 R17.2 U9_CH1.5 U9_CH2.5 X3.5 X4.3 X4.4 X10.1 | length 83.4
  Top Layer w0.203: X10.1@31.2,-5 34.1,-5 L1.2@34.6,-4.5 ; R17.2@38.3,-13.462 C32.2@39.5,-13.462
  Top Layer w0.254: C29.2@29.488,1.5 29.494,1.506 29.494,2.841 29.8,3.147 v1(29.8,3.2) ; v1(38.25,-14.25) 38.25,-13.512 R17.2@38.3,-13.462
  Top Layer w0.508: v1(-29.6,-7.4) U9_CH2.5@-29.6,-6.75 ; v1(-29.6,-1.4) U9_CH1.5@-29.6,-0.45
  Top Layer w1.016: -2.988,-1 -2.988,-1.965 -2.6,-2.353 X4.3@-2.6,-2.96 X4.4@-2.6,-5.5 -2.6,-7.5 -2.6,-10.4 -2,-11 v2@-2,-14.5
  Mid Layer 2 (Sig) w0.508: v1(-29.6,-7.4) -29.1,-6.9 -27.4,-6.9 ; v1(-29.6,-1.4) -27.768,-1.4 -27.4,-1.768 -27.4,-6.9 ; X4.3@-2.6,-2.96 X4.4@-2.6,-5.5 -2.6,-7.2 -4.2,-8.8 -17.5,-8.8 -26.1,-8.8 -27.4,-7.5 -27.4,-6.9
  Mid Layer 2 (Sig) w0.559: v2(-17.5,-10.7) -17.5,-8.8
  Bottom Layer w0.254: 35.75,-8.5 38.25,-11 v1(38.25,-14.25)
  Bottom Layer w0.559: X3.5@-17.5,-12.05 v2(-17.5,-10.7)
  Bottom Layer w0.762: LS1.1@28.05,3.1 28.15,3.2 v1(29.8,3.2) 32.1,3.2 34.2,1.1 34.2,-1.5
  other v2: -3,-15.25 -2.25,-15.25 -3,-14.5 -2.25,-14.5 33.75,-2.5 34.5,-2.5 35.25,-2.5 36,-2.5
BGND: X1.2 X1.3
BUSY: U11.7 U12.15 | length 22.5
  Top Layer w0.152: U11.7@-21.25,9.75 -20.65,9.75 -20.6,9.7 -20.5,9.6 v1(-20.5,8.8) ; U12.15@-1,9.5 U12.15@-1,9.55 v1(-1,10.1)
  Mid Layer 2 (Sig) w0.152: v1(-20.5,8.8) -19.1,10.2 -7.5,10.2 -7.2,9.9 -5.4,9.9 -5.2,10.1 v1(-1,10.1)
BUTTON: R42.1 S2.1 U6.26 | length 26.5
  Top Layer w0.152: U6.26@15.509,-2.241 v1(16.259,-2.241)
  Top Layer w0.203: R42.1@3.962,14.3 4.5,14.3 5.4,15.2 v1(8.7,15.2) ; U6.26@15.5,-2.25 U6.26@15.509,-2.241
  Mid Layer 2 (Sig) w0.203: v1(10.5,10.5) 15.6,5.4 15.6,-1.582 v1(16.259,-2.241)
  Bottom Layer w0.203: v1(8.7,15.2) 8.7,13.2 10.1,11.8 S2.1@10.25,11.8 ; S2.1@10.25,11.4 10.25,10.795 10.5,10.545 v1(10.5,10.5)
  Bottom Layer w0.305: S2.1@10.25,11.4 S2.1@10.25,11.8
BUZZER: R15.2 U6.42 | length 24.1
  Top Layer w0.152: U6.42@12.25,3.5 12.25,4.35 v1(12.3,4.4) ; v1(26.8,-0.4) 26.8,-1.6 28.4,-3.2 29.7,-3.2 R15.2@29.75,-3.25
  Bottom Layer w0.152: v1(12.3,4.4) 12.3,3 17,-1.7 18.4,-1.7 19.7,-0.4 v1(26.8,-0.4)
CS: U11.19 U12.14 | length 31.1
  Top Layer w0.152: v1(-25.7,13.1) -25.414,12.814 -25.414,12.281 -25.383,12.25 U11.19@-25.25,12.25 ; U12.14@-0.5,9 v1(0.9,9)
  Mid Layer 2 (Sig) w0.152: v1(-25.7,13.1) -21.4,13.1 -21.1,13.4 -19.8,13.4 -17.228,10.828 -0.928,10.828 v1(0.9,9)
CS_BARO: U1.4 U1.5 U6.19 | length 9.8
  Top Layer w0.152: U1.5@7.4,-9.375 7.425,-9.4 10.6,-9.4 11.8,-8.2 11.8,-4.6 12.25,-4.15 U6.19@12.25,-3.5
CS_IMU: U5.12 U6.18 | length 13.9
  Top Layer w0.152: U5.12@5.004,-13.25 5.013,-13.259 5.879,-13.259 6.119,-13.5 v1(6.2,-13.5) ; v1(10.2,-7.1) 11.4,-5.9 11.4,-4.5 11.75,-4.15 U6.18@11.75,-3.5
  Bottom Layer w0.152: v1(6.2,-13.5) 6.7,-13.5 8.1,-12.1 8.1,-10.2 10.2,-8.1 v1(10.2,-7.1)
DIO1: U11.8 U12.11 | length 28.1
  Top Layer w0.152: U11.8@-21.25,10.25 -20.671,10.25 v1(-20.421,10.5) ; U12.11@-0.6,7.5 U12.11@-0.55,7.5 0.359,7.5 0.659,7.2 v1(0.7,7.2)
  Mid Layer 2 (Sig) w0.152: v1(-20.421,10.5) -21.1,9.821 -21.1,8.6 -20.7,8.2 -20.3,8.2 -18.872,9.628 -1.728,9.628 v1(0.7,7.2)
FE_EN: R9.2 U3.1 U12.16 | length 34.1
  Top Layer w0.152: U3.1@-27.7,8.15 -26.95,8.15 v1(-26.6,7.8) ; v1(-1.5,8.3) -1.5,9.4 -1.5,10.9 -0.7,11.7 R9.2@2.438,11.7
  Mid Layer 2 (Sig) w0.152: v1(-26.6,7.8) -25.9,7.8 -25.1,7 -11.6,7 -11.2,7.4 -2.4,7.4 v1(-1.5,8.3)
FLASH_CS: U6.25 U13.1 | length 11
  Top Layer w0.152: U6.25@15.5,-2.75 16.65,-2.75 20.7,-6.8 20.7,-8.2 21.3,-8.8 22.211,-8.8 22.345,-8.666 U13.1@22.345,-7.85
GND: C1.1 C2.1 C3.1 C4.1 C5.1 C6.1 C7.1 C8.1 C9.1 C10.1 C11.1 C12.1 C13.1 C14.1 C15.1 C16.1 C17.1 C18.1 C19.1 C20.1 C21.1 C22.1 C23.1 C24.1 C25.1 C26.1 C27.1 C28.1 C29.1 C30.1 C33.1 C34.1 C35.1 C36.1 C39.1 C40.1 C41.1 C42_CH1.1 C42_CH2.1 C43_CH1.1 C43_CH2.1 C44_CH1.1 C44_CH2.1 C45.1 C46.1 C47.1 C48.1 C49.1 C50.1 C51.1 C52.1 C53.1 C54.1 C55.1 D1.2 D2.2 D4.A D7.2 FL1.2 FL1.4 P1.K P4_CH1.K P4_CH2.K Q1.3 Q2.E Q3_CH1.S Q3_CH2.S Q5.E Q6.3 R7.1 R8.2 R9.1 R14.1 R18.1 R19.1 R21.1 R25.1 R26.1 R27.2 R31_CH1.1 R31_CH2.1 R32_CH1.1 R32_CH2.1 R33_CH1.1 R33_CH2.1 R39.1 S2.2 U1.2 U1.3 U2.2 U3.0 U3.4 U3.6 U3.7 U3.9 U3.10 U3.11 U3.12 U3.13 U3.14 U3.16 U3.17 U3.18 U3.19 U3.20 U3.21 U3.23 U3.24 U3.25 U4.1 U4.10 U4.12 U5.2 U5.3 U5.6 U5.7 U6.8 U6.23 U6.35 U6.47 U7.4 U8.4 U9_CH1.2 U9_CH2.2 U10.3 U11.0 U11.5 U11.13 U11.20 U11.21 U11.23 U11.24 U12.4 U13.4 X1.1 X3.4 X4.1 X4.2 X5.2 X6.5 X14.A1B12 X14.B1A12 X14.G1 X14.G2 X14.G3 X14.G4 X20.5 | length 35.5
  Top Layer w0.152: R8.2@-31.238,14.7 C12.1@-30.262,14.7 ; U9_CH2.2@-27.4,-5.8 -26.389,-5.8 -25.877,-6.312 R32_CH2.1@-25.75,-6.312 ; U9_CH1.2@-27.4,0.5 -26.389,0.5 -25.877,-0.012 R32_CH1.1@-25.75,-0.012 ; U11.5@-22.5,9 -22.487,8.987 -22.487,8.468 -22.4,8.381 -22.4,7.763 Q6.3@-22.175,7.538 ; U11.13@-22,13 -22,13.599 -21.476,14.123 C47.1@-21.476,14.25 -20.365,14.25 -19.877,13.762 C49.1@-19.75,13.762 C50.1@-18.5,13.762 -18.438,13.824 C15.1@-18.438,15 ; U10.3@-5.8,-11.1 -4.888,-11.1 C46.1@-4.75,-11.238 ; C18.1@0.7,-13.438 0.941,-13.197 1.323,-13.197 v1@1.519,-13 ; C17.1@0.7,-12.6 0.941,-12.841 1.361,-12.841 v1@1.519,-13 ; D1.2@2.05,-9.25 2.05,-9.1 v1(2.8,-9.1) ; U5.7@2.996,-13.25 1.931,-13.25 v1@1.681,-13 ; U5.6@2.996,-12.75 1.931,-12.75 v1@1.681,-13 ; U5.3@3.75,-11.4 3.75,-10.3 ; U5.2@4.25,-11.4 4.25,-10.3 ; X14.B1A12@7.05,8.825 7.05,7.188 R25.1@7.238,7 ; v1(7.7,-0.771) 7.711,-0.76 8.489,-0.76 U6.8@8.5,-0.75 ; v1(9.597,4.297) 9.597,4.223 9.75,4.07 U6.47@9.75,3.5 ; U1.2@9.6,-11.875 C3.1@11.637,-11.875 ; U1.3@9.6,-10.625 10.825,-10.625 11.5,-11.3 11.5,-12.012 C3.1@11.637,-11.875 ; C3.1@11.7,-11.938 C3.1@11.637,-11.875 ; R26.1@13.262,7 13.45,7.188 X14.A1B12@13.45,8.825 ; U6.23@14.25,-3.5 14.269,-3.519 v1(14.269,-4.369) ; U6.35@15.5,2.25 15.51,2.26 16.29,2.26 v1(16.3,2.271) ; C29.1@31.012,1.5 31.012,1.373 31.399,0.986 Q2.E@31.399,-0.05 ; v1@1.519,-13 v1(1.6,-13) v1@1.681,-13
  other v1: -0.5,-15.3 -8.4,-15.2 -3.8,-11.2 11.5,-10.4 -23,-9.5 -21,-9.5 -19,-9.5 -15,-9.5 -10,-7.5 -8,-7.5 -6,-7.5 -21,-5.5 -19,-5.5 -17,-5.5 -15,-5.5 -9,-5.5 -7,-5.5 -26.1,-3.9 19.5,-3.8 -22,-3.5 -20,-3.5 -18,-3.5 -16,-3.5 -14,-3.5 -12,-3.5 3.2,-2.3 -23,-1.5 -21,-1.5 -19,-1.5 -15,-1.5 -13,-1.5 -11,-1.5 -16.871,-1.429 -17.566,-1.317 -16.206,-1.197 -18.125,-0.889 -15.731,-0.677 -18.413,-0.247 -15.565,0.007 32.6,0.1 -18.363,0.455 -20,0.5 -14,0.5 -12,0.5 -10,0.5 -8,0.5 -15.61,0.709 -17.984,1.049 35.1,1.2 -15.264,1.323 -17.367,1.387 -16.663,1.397 -4.4,1.7 -1.2,1.7 -16.169,1.9 -15.07,1.999 31,2.4 -21,2.5 -19,2.5 -17,2.5 -13,2.5 -11,2.5 -9,2.5 -7,2.5 -16.071,2.597 -15.029,2.702 6.6,3.1 -16.071,3.301 -15.029,3.406 19.4,3.4 -32.4,3.6 -29,3.6 -16.071,4.005 -15.029,4.11 -48,4.5 -46,4.5 -44,4.5 -42,4.5 -40,4.5 -38,4.5 -20,4.5 -18,4.5 -6,4.5 35.7,5.4 -23.5,5.6 -47,6.5 -45,6.5 -43,6.5 -41,6.5 -39,6.5 -37,6.5 -2.4,6.5 -26.6,6.8 -27.6,7.3 6.5,7.8 14.1,7.8 -22.4,8.3 -44,8.5 -38,8.5 -36,8.5 -18,8.5 -16,8.5 -14,8.5 43.2,8.8 -44.621,9.25 -43.917,9.245 -31.5,9.25 -31,9.25 -30.5,9.25 -30,9.25 -29.5,9.25 -31.5,9.75 -31,9.75 -30.5,9.75 -30,9.75 -29.5,9.75 -31.5,10.25 -31,10.25 -30.5,10.25 -30,10.25 -29.5,10.25 -26.173,10.234 -39.438,10.399 -36.771,10.392 -26.85,10.429 -42.249,10.484 -41.545,10.484 -40.841,10.484 -40.137,10.484 -47,10.5 -36.077,10.511 -23.75,10.5 -23.25,10.5 -22.75,10.5 -46.008,10.694 -17.8,10.7 -35.406,10.724 -31.5,10.75 -31,10.75 -30.5,10.75 -30,10.75 -29.5,10.75 -38.317,10.961 -23.75,11 -23.25,11 -22.75,11 -34.824,11.12 -31.5,11.25 -31,11.25 -30.5,11.25 -30,11.25 -29.5,11.25 -45.996,11.398 -26.389,11.441 -23.75,11.5 -23.25,11.5 -22.75,11.5 -42.154,11.516 -41.45,11.516 -40.746,11.516 -40.042,11.516 -36.46,11.581 -39.344,11.608 -34.321,11.612 -35.769,11.712 -35.238,12.174 -40,12.5 -38,12.5 -36,12.5 25.6,12.5 -34.696,12.623 -43.841,12.745 -44.531,12.762 -34.036,12.87 -45,14.5 -39,14.5 -37,14.5 -35,14.5 -25.5,14.7 -17.7,15 -30.8,15.7 19.7,15.9
  other v2: -45.1,-15.7 -42.8,-15.7 -40.6,-15.7 -38.2,-15.7 -30.1,-7.9 -29,-7.9 37.5,-7.5 -29.9,-2.9 -29.2,-2.7 -29.7,-2.2 38,8.5 38,14.5 34.25,15.5 38,15.5
INT1: U6.29 U12.10 | length 27.1
  Top Layer w0.152: U12.10@-0.6,7 0,7 0.4,6.6 3.9,6.6 v1(4.4,6.1) ; U6.29@15.5,-0.75 16.7,-0.75 17.113,-1.163 17.463,-1.163 v1(17.5,-1.2)
  Bottom Layer w0.152: v1(4.4,6.1) 5.2,6.9 14.1,6.9 17.5,3.5 v1(17.5,-1.2)
IO1: R1.1 U6.43 | length 20.2
  Top Layer w0.152: R1.1@5.762,-8.25 10.45,-8.25 v1(10.8,-7.9) ; v1(11.5,5.1) 11.75,4.85 U6.43@11.75,3.5
  Mid Layer 2 (Sig) w0.152: v1(10.8,-7.9) 11.5,-7.2 v1(11.5,5.1)
LED: P5.K U12.22 | length 14.2
  Top Layer w0.152: v1(-7.8,12.5) -7.8,11 -5.8,9 U12.22@-4.55,9 U12.22@-4.5,9
  Mid Layer 2 (Sig) w0.152: v1(-15.25,13.3) -14.45,12.5 v1(-7.8,12.5)
  Bottom Layer w0.152: v1(-15.25,13.3) P5.K@-15.25,14.05
MISO1: U11.16 U12.12 | length 35.1
  Top Layer w0.152: v1(-24.1,14.9) -24.1,14.4 -23.5,13.8 U11.16@-23.5,13 ; U12.12@-0.6,8 v1(0.7,8) 1.4,8 2.2,8.8 v1(2.2,9.6)
  Mid Layer 2 (Sig) w0.152: v1(-24.1,14.9) -18.5,14.9 -15.6,12 0.7,12 2.2,10.5 v1(2.2,9.6)
MOSI1: U11.17 U12.13 | length 33.2
  Top Layer w0.152: v1(-24.7,14.2) -24.5,14.2 -24,13.7 U11.17@-24,13 ; U12.13@-0.6,8.5 1.2,8.5 1.6,8.9 1.6,10.059 1.3,10.359 v1(1.3,10.4)
  Mid Layer 2 (Sig) w0.152: v1(-24.7,14.2) -18.5,14.2 -15.9,11.6 0.1,11.6 v1(1.3,10.4)
NetANT1_1: ANT1.1 U4.11 | length 6
  Top Layer w0.162: ANT1.1@-17,0 -16.294,0.706 ccw(c-18.09,2.502) -15.55,2.502 U4.11@-15.55,5.5